# Altium PCB Mynd_BT.PcbDoc (part 1 of 2)
Units mm, origin at the board's own origin, x right, y up, seen from the top; angles counter-clockwise.
Board outline 55 x 41 mm, 4 copper layers (Component Side, Mid Layer 1, Mid Layer 2, Solder Side), stack 1.58 mm thick; 136 components, 79 nets, 396 pads, 302 vias.
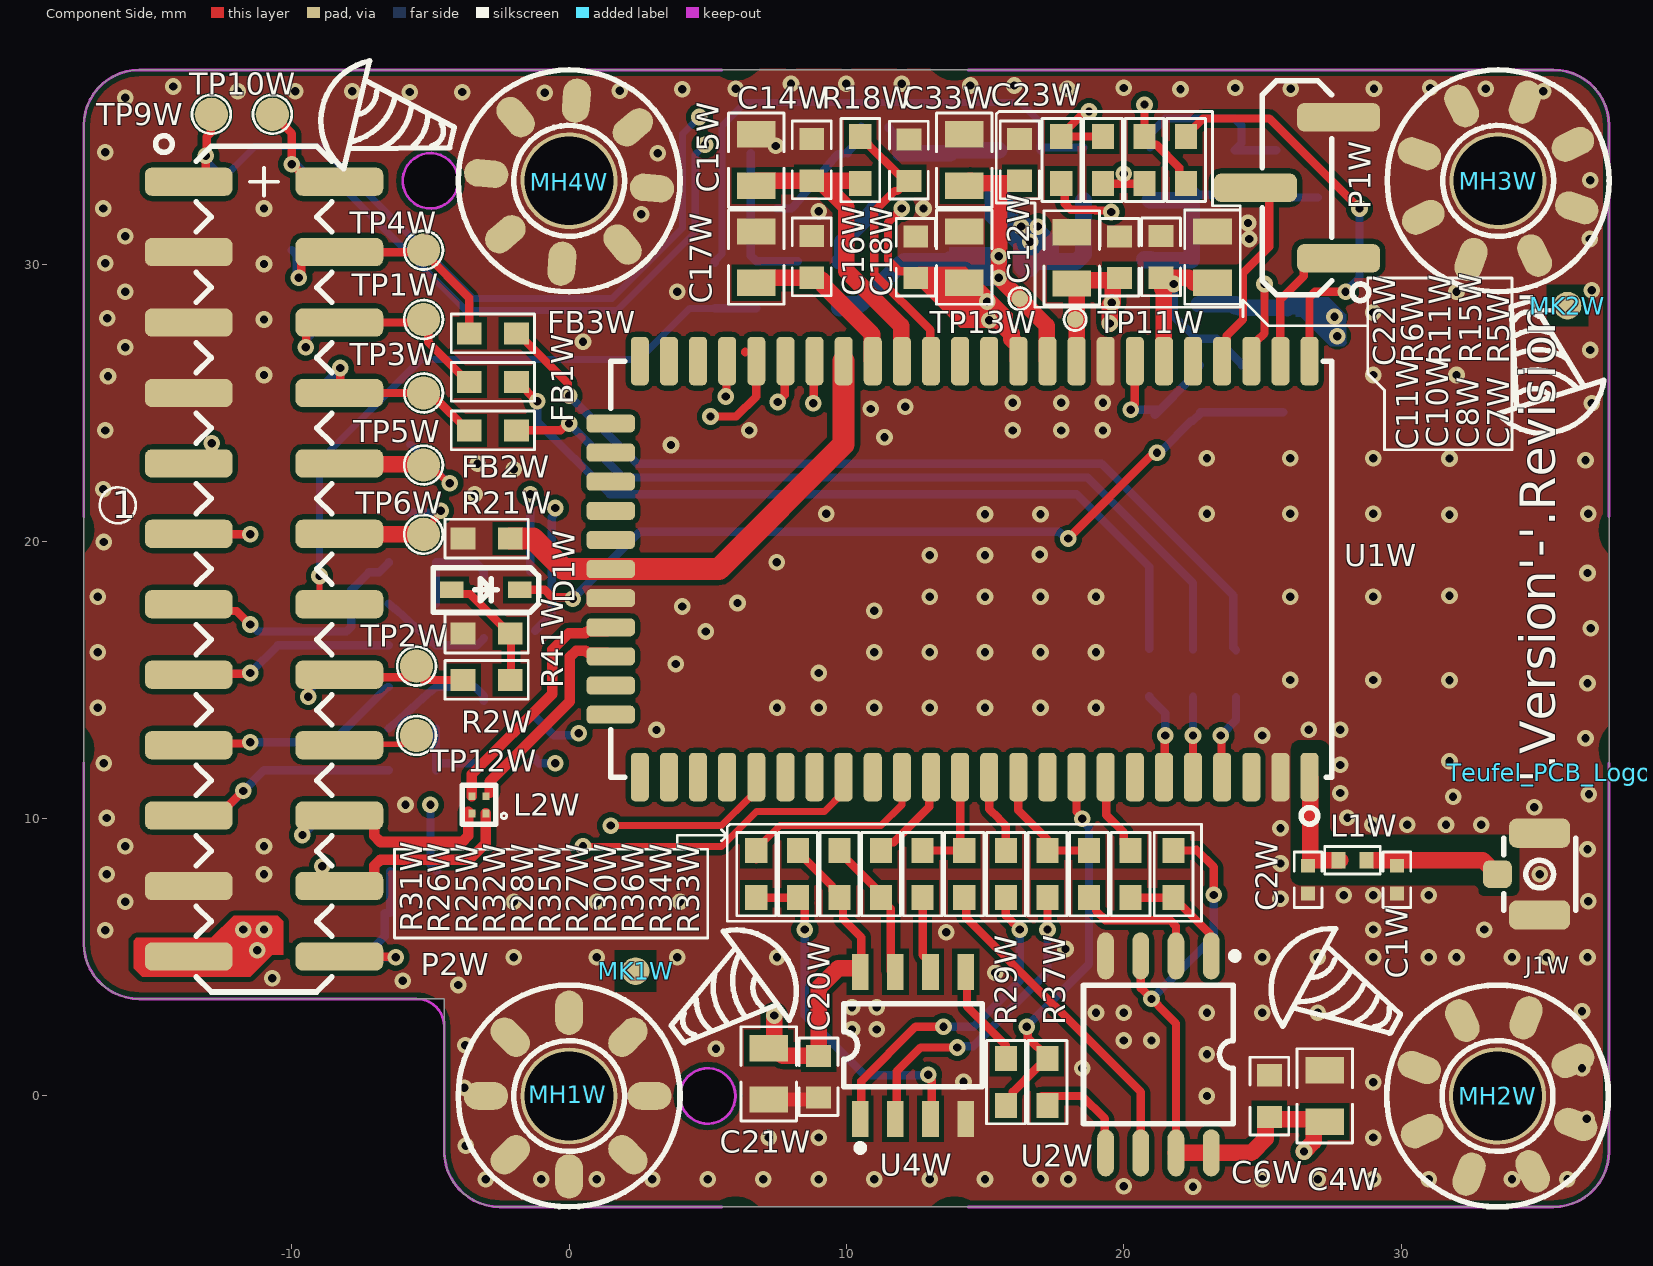
[diagram p0: Component Side view]
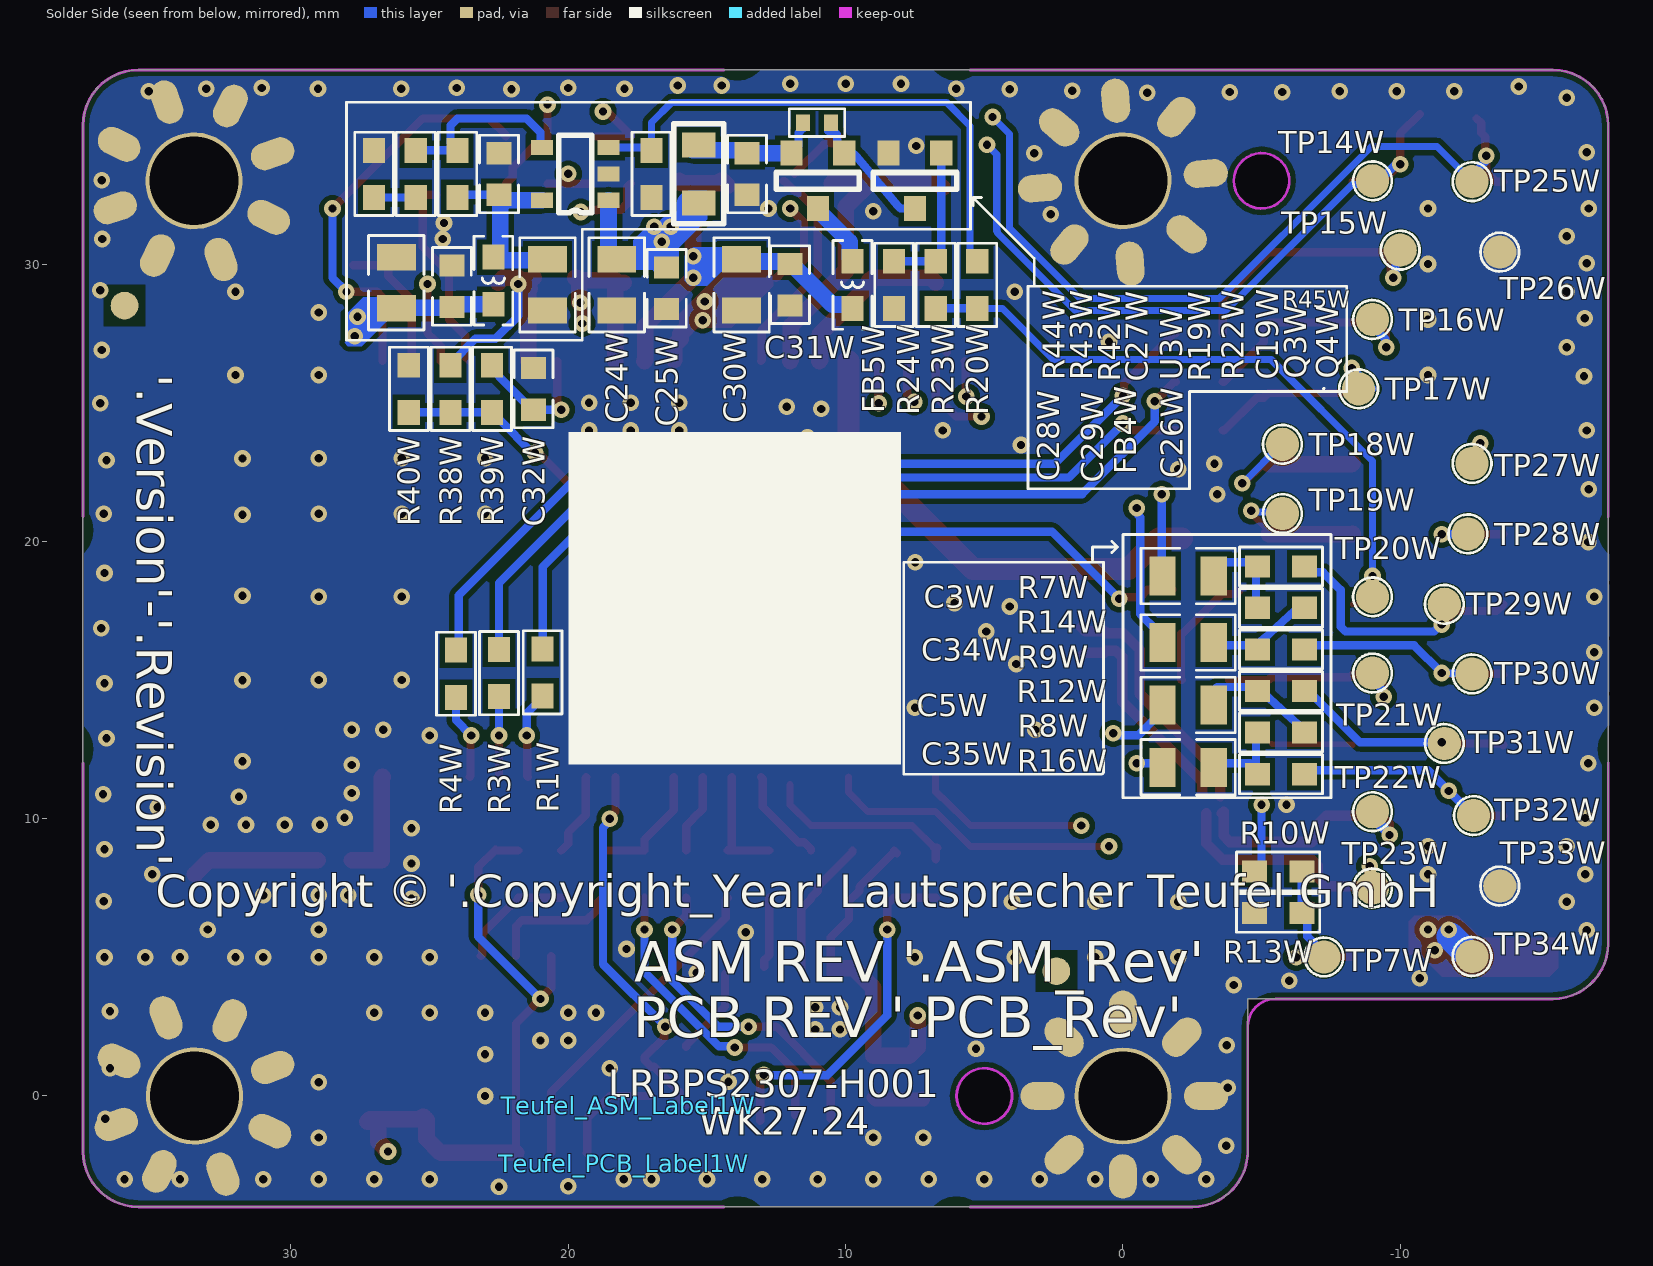
[diagram p1: Solder Side view, seen from below]
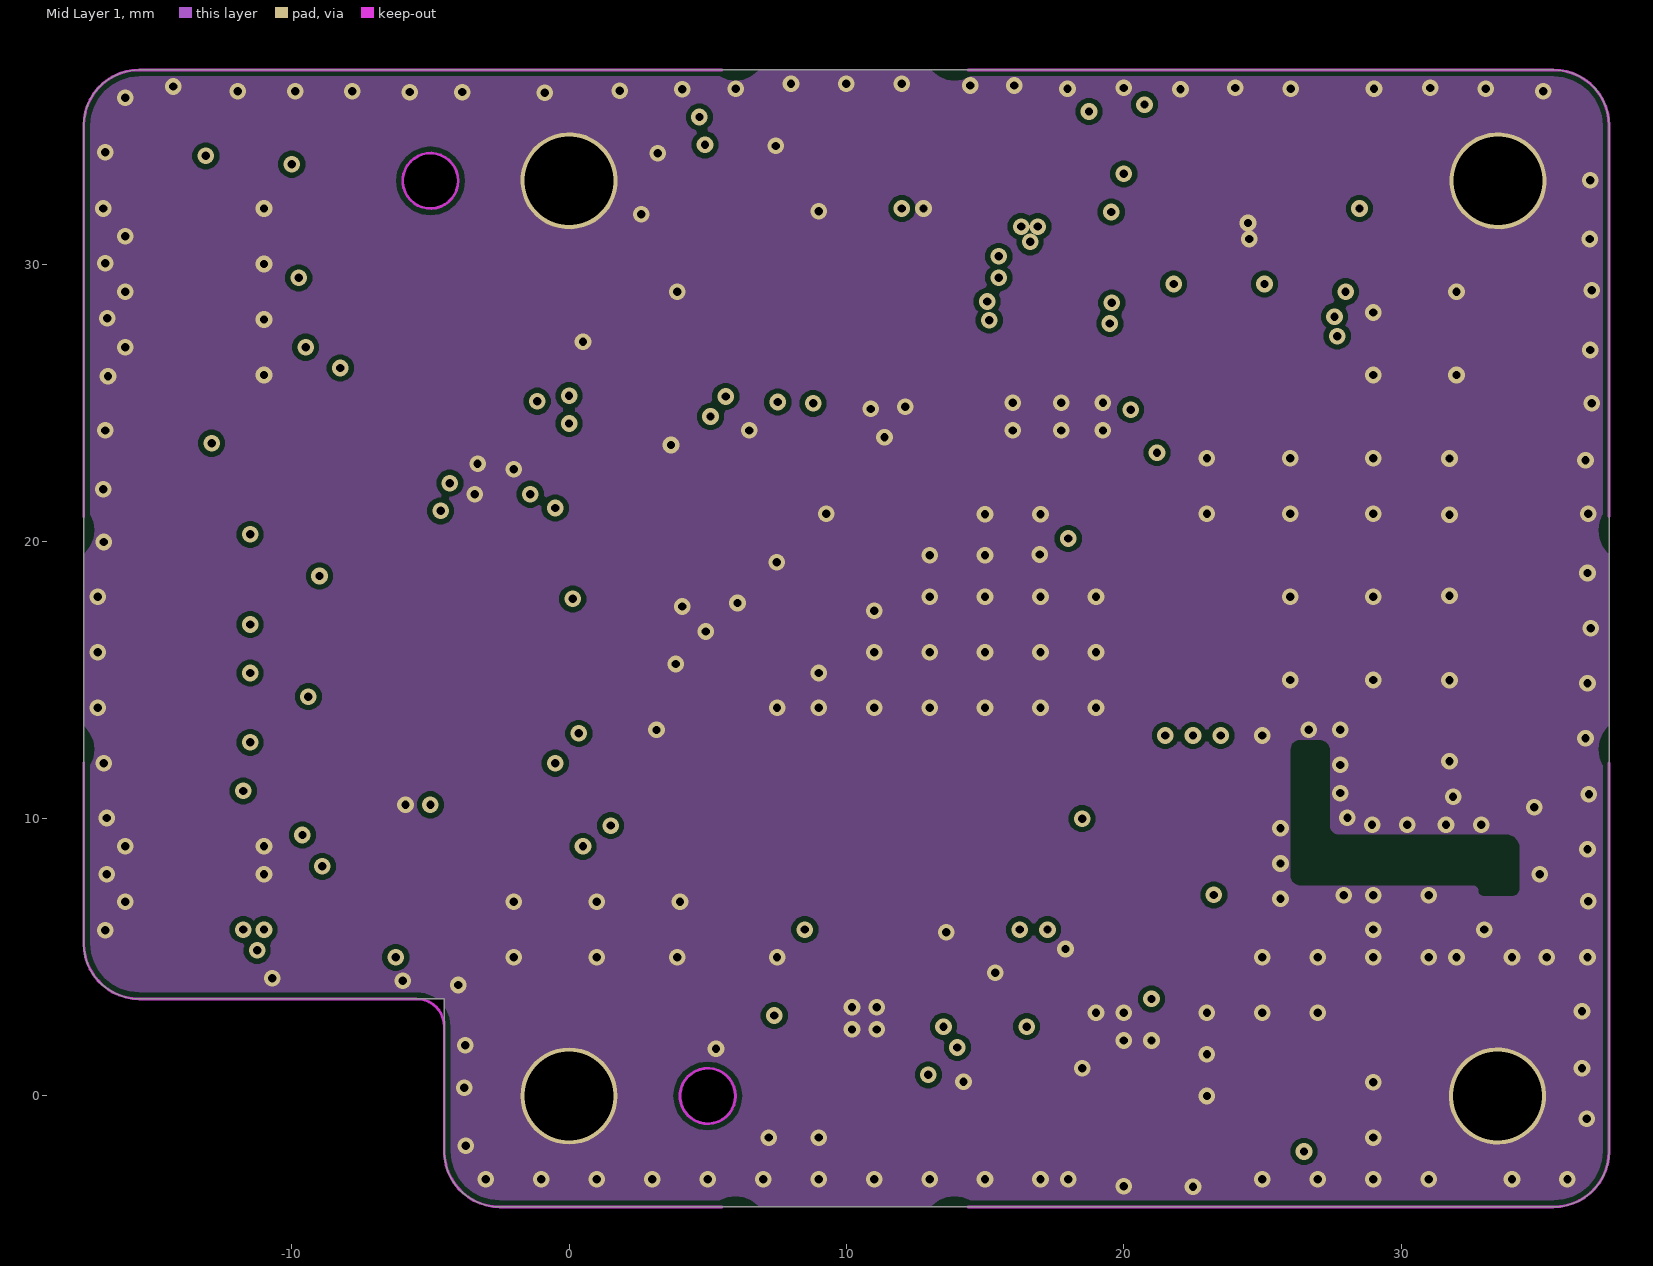
[diagram p2: Mid Layer 1]
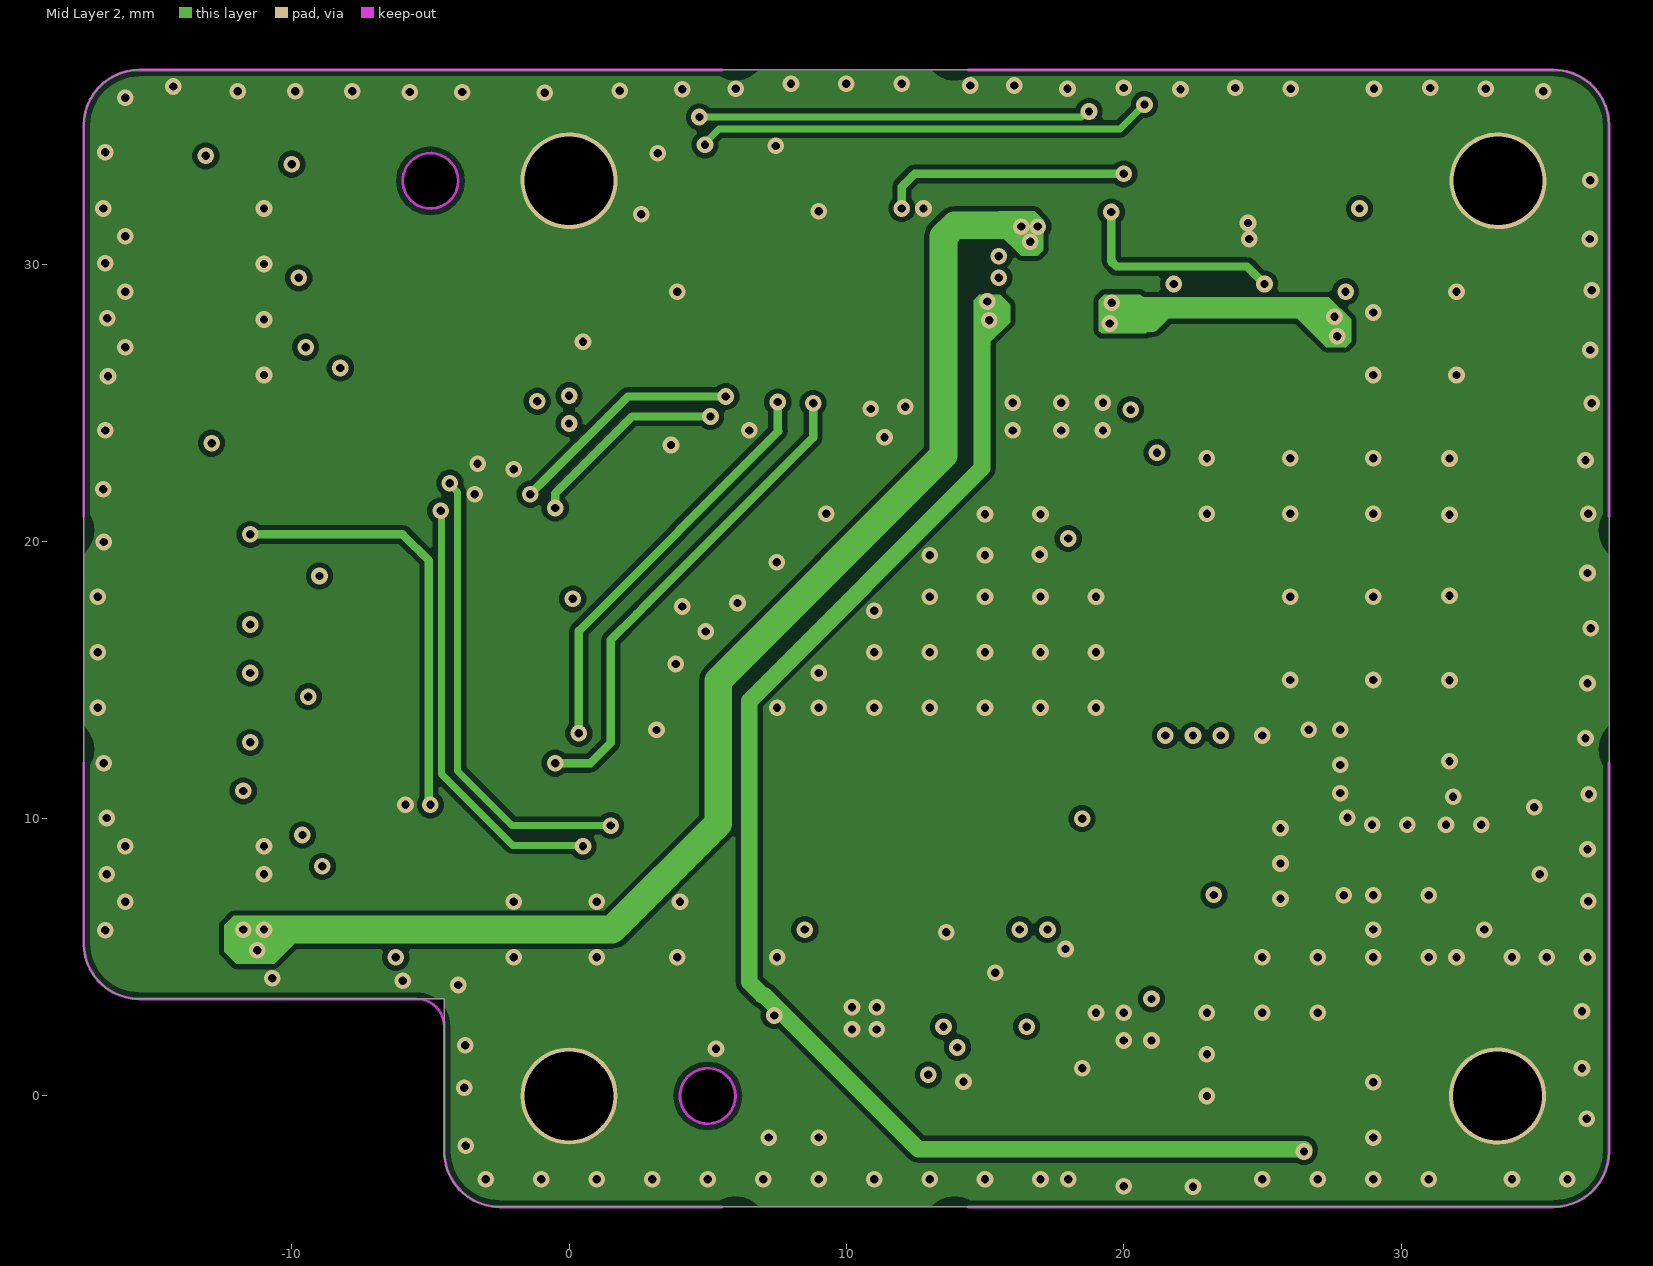
[diagram p3: Mid Layer 2]
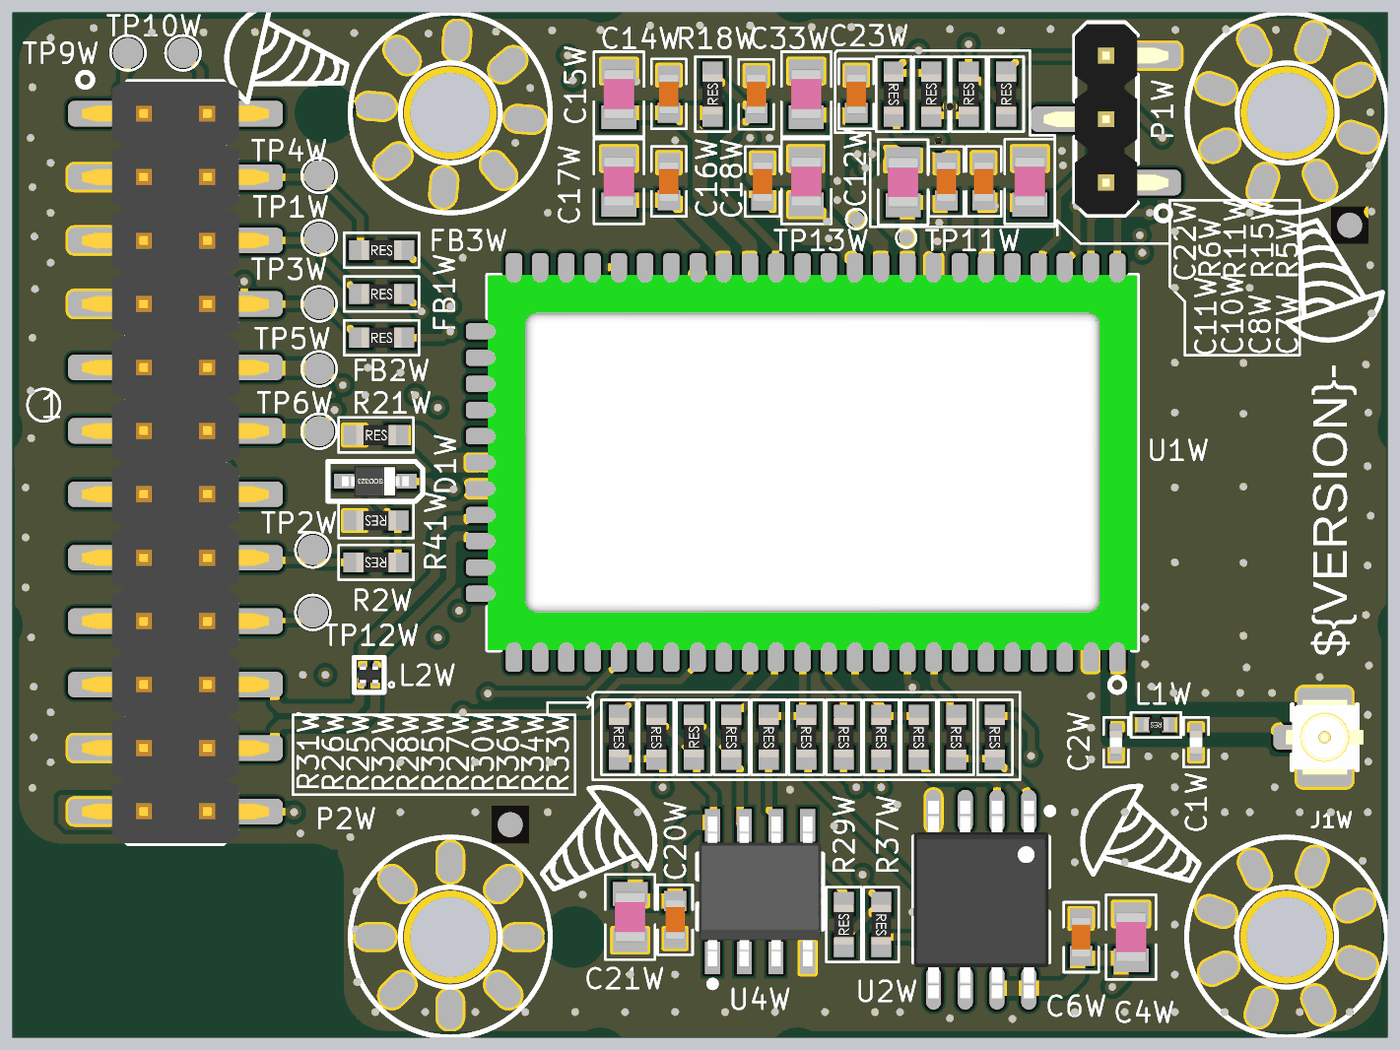
[diagram p5: 3D render of the assembled board from above, using the file's embedded part models]
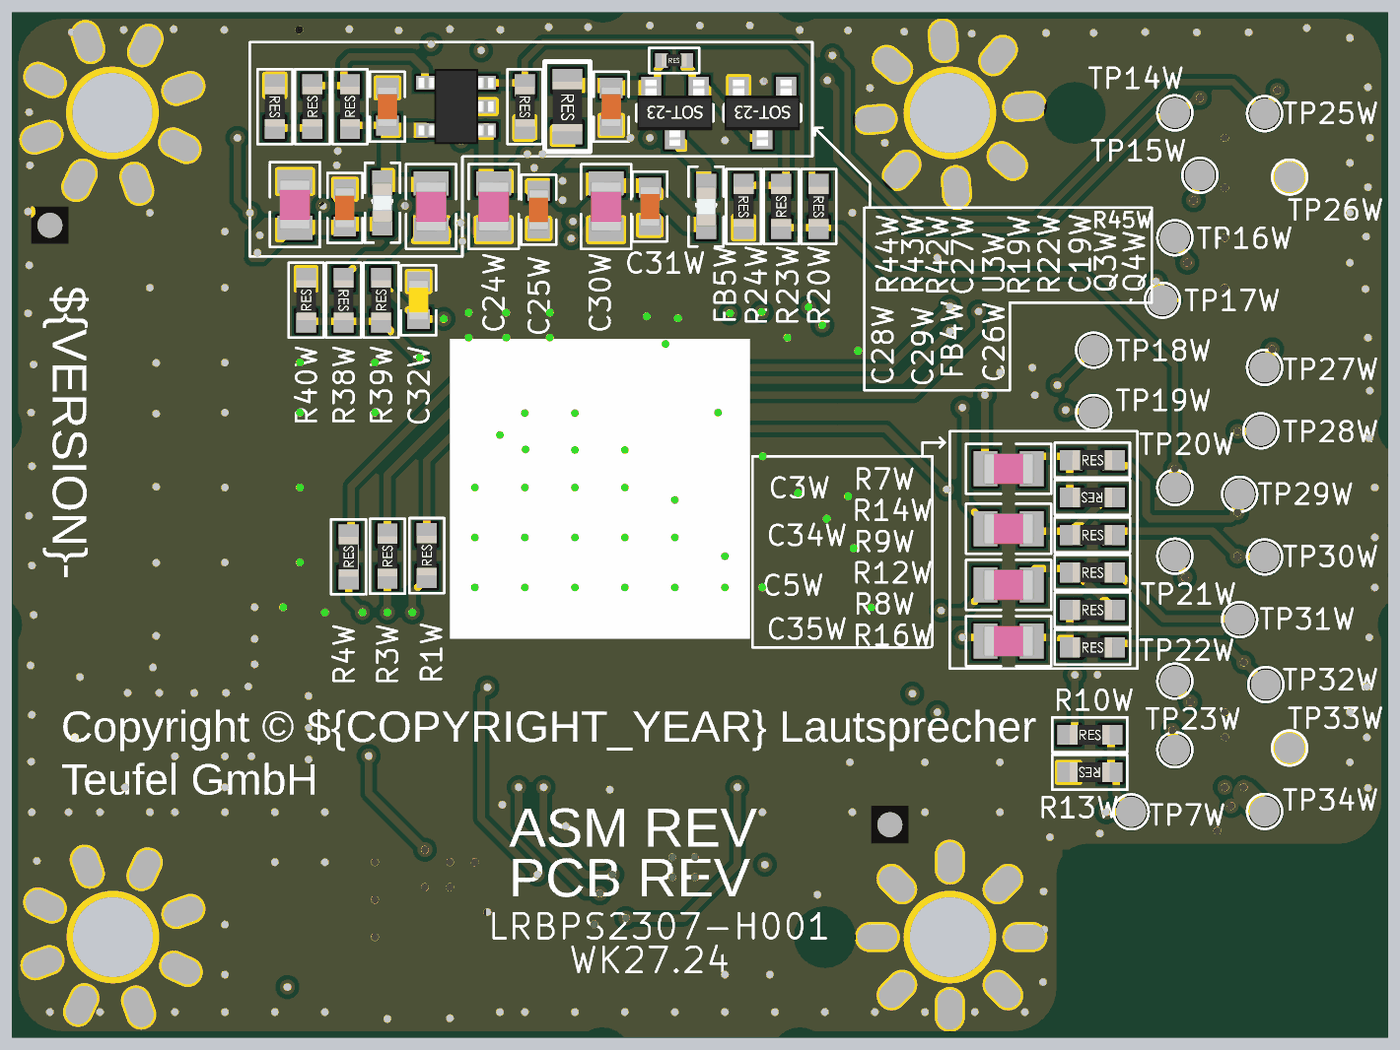
[diagram p6: 3D render of the assembled board from below, using the file's embedded part models]

## Layer stack, top to bottom
Top Solder: solder mask 0.0102, Solder Resist, Dk 3.5
Component Side: signal copper 0.035
Dielectric 1: prepreg 0.0711, PP-006, Dk 4.1
Mid Layer 1: signal copper 0.035
Dielectric1: core 1.2974, FR-4, Dk 4.2
Mid Layer 2: signal copper 0.035
Dielectric 2: prepreg 0.0711, PP-006, Dk 4.1
Solder Side: signal copper 0.035
Bottom Solder: solder mask 0.0102, Solder Resist, Dk 3.5

## Board outline
-15.5,3.5 cw(c-15.5,5.5) -17.5,5.5 -17.5,35 cw(c-15.5,35) -15.5,37 35.5,37 cw(c35.5,35) 37.5,35 37.5,-2 cw(c35.5,-2) 35.5,-4 -2.5,-4 cw(c-2.5,-2) -4.5,-2 -4.5,3.5
cut-out: -5,32 cw(c-5,33) -6,33 cw(c-5,33) -5,34 cw(c-5,33) -4,33 cw(c-5,33)
cut-out: 5,-1 cw(c5,0) 4,0 cw(c5,0) 5,1 cw(c5,0) 6,0 cw(c5,0)

## Design rules (kind name [scope] priority, off if disabled: settings)
AssemblyTestPointUsage [HasFootprint('PAD-NDK-06')] p1:
AssemblyTestpoint [HasFootprint('PAD-NDK-06')] p1: testpointundercomponent=TRUE minsize=1.016 maxsize=2.54 preferedsize=1.524 minholesize=0 maxholesize=1.016 preferedholesize=0.813 testpointgrid=0.025 usegrid=TRUE gridtolerance=0 allowsidetop=TRUE allowsidebottom=TRUE
Clearance [All] p1: gap=0.18 ignorepadtopadclearanceinfootprint=FALSE
Clearance Clearance_Footprint [HasFootprint('RSE10') vs HasFootprint('RSE10')] p2: gap=0.15 ignorepadtopadclearanceinfootprint=FALSE
Clearance Clearance_Poly_1 [All vs InComponent('F500')] p3 off: gap=1.2 ignorepadtopadclearanceinfootprint=FALSE // Protel DXP Scope 1 Expression Was: InPoly
Clearance Clearance_TAS41V_Poly [All] p4 off: gap=0.2 ignorepadtopadclearanceinfootprint=FALSE // Protel DXP Scope 1 Expression Was: InNamedPolygon('Top_AMP_41V_*') OR InNamedPolygon('Mid1_AMP_41V_*') OR InNamedPolygon('Mid2_AMP_41V_*') OR InNamedPolygon('Bottom_AMP_41V_*')
Clearance "Clearance_0.5mm Pitch IC" [All] p5 off: gap=0.2 ignorepadtopadclearanceinfootprint=FALSE // Protel DXP Scope 1 Expression Was: HasFootprint('QFP50P100x100x160-64N') or HasFootprint('QFP65P1320X1320X245-52N') or HasFootprint('SOP65P490X86-8N') or HasFootprint('TSQFP50P900X900X160-48N')
Clearance Clearance_Poly [All] p6 off: gap=0.25 ignorepadtopadclearanceinfootprint=FALSE // Protel DXP Scope 1 Expression Was: InPoly
ComponentClearance ComponentClearance_Termofühler [HasFootprint('SOP65P1420X360_HS-44N') vs HasFootprint('TO-92_MCP9700')] p1: gap=0 collisioncheckmode=3 verticalgap=0.254 showdistances=FALSE
ComponentClearance ComponentClearance_Testpoint [InComponent('TP*')] p2: gap=0 collisioncheckmode=3 verticalgap=0.254 showdistances=FALSE
ComponentClearance ComponentClearance_MC16 [OnLayer('Component Side')] p3: gap=0 collisioncheckmode=3 verticalgap=0.254 showdistances=FALSE
ComponentClearance ComponentClearance_1 [All] p4: gap=0.2 collisioncheckmode=3 verticalgap=0.254 showdistances=FALSE
ComponentClearance ComponentClearance_Stiftleiste [HasFootprint('1X04RM254') vs HasFootprint('1X02RM254')] p5: gap=0 collisioncheckmode=3 verticalgap=0.254 showdistances=FALSE
FabricationTestpoint [All] p1: side=3 testpointundercomponent=TRUE minsize=0.5 maxsize=2.54 preferedsize=1.524 minholesize=0 maxholesize=1.016 preferedholesize=0.813 testpointgrid=0.025 allowsidetop=TRUE allowsidebottom=TRUE usegrid=TRUE gridtolerance=0
FanoutControl Fanout_LCC [All] p1 off: bgadir=Out bgaviamode=Centered fanoutstyle=Auto fanoutdirection=Alternating viagrid=0.025 // Protel DXP Scope 1 Expression Was: IsLCC   Fanout_LCC (Default Rule)
FanoutControl Fanout_BGA [All] p2 off: bgadir=Out bgaviamode=Centered fanoutstyle=Auto fanoutdirection=Alternating viagrid=0.025 // Protel DXP Scope 1 Expression Was: IsBGA   Fanout_BGA (Default Rule)
FanoutControl Fanout_SOIC [All] p3 off: bgadir=Out bgaviamode=Centered fanoutstyle=Auto fanoutdirection=Alternating viagrid=0.025 // Protel DXP Scope 1 Expression Was: IsSOIC   Fanout_SOIC (Default Rule)
FanoutControl Fanout_Default [All] p4: bgadir=Out bgaviamode=Centered fanoutstyle=Auto fanoutdirection=Alternating viagrid=0.025 // Fanout_Default (Default Rule)
FanoutControl Fanout_Small [All] p5 off: bgadir=Out bgaviamode=Centered fanoutstyle=Auto fanoutdirection=Alternating viagrid=0.025 // Protel DXP Scope 1 Expression Was: (CompPinCount < 5)   Fanout_Small (Default Rule)